# Altium PCB paste_3.3.PcbDoc (part 3 of 3)
Units mm, origin at the board's own origin, x right, y up, seen from the top; angles counter-clockwise.
Board outline 154.05 x 173.86 mm, 2 copper layers (Top Layer, Bottom Layer); 242 components, 0 nets, 1192 pads, 810 vias.
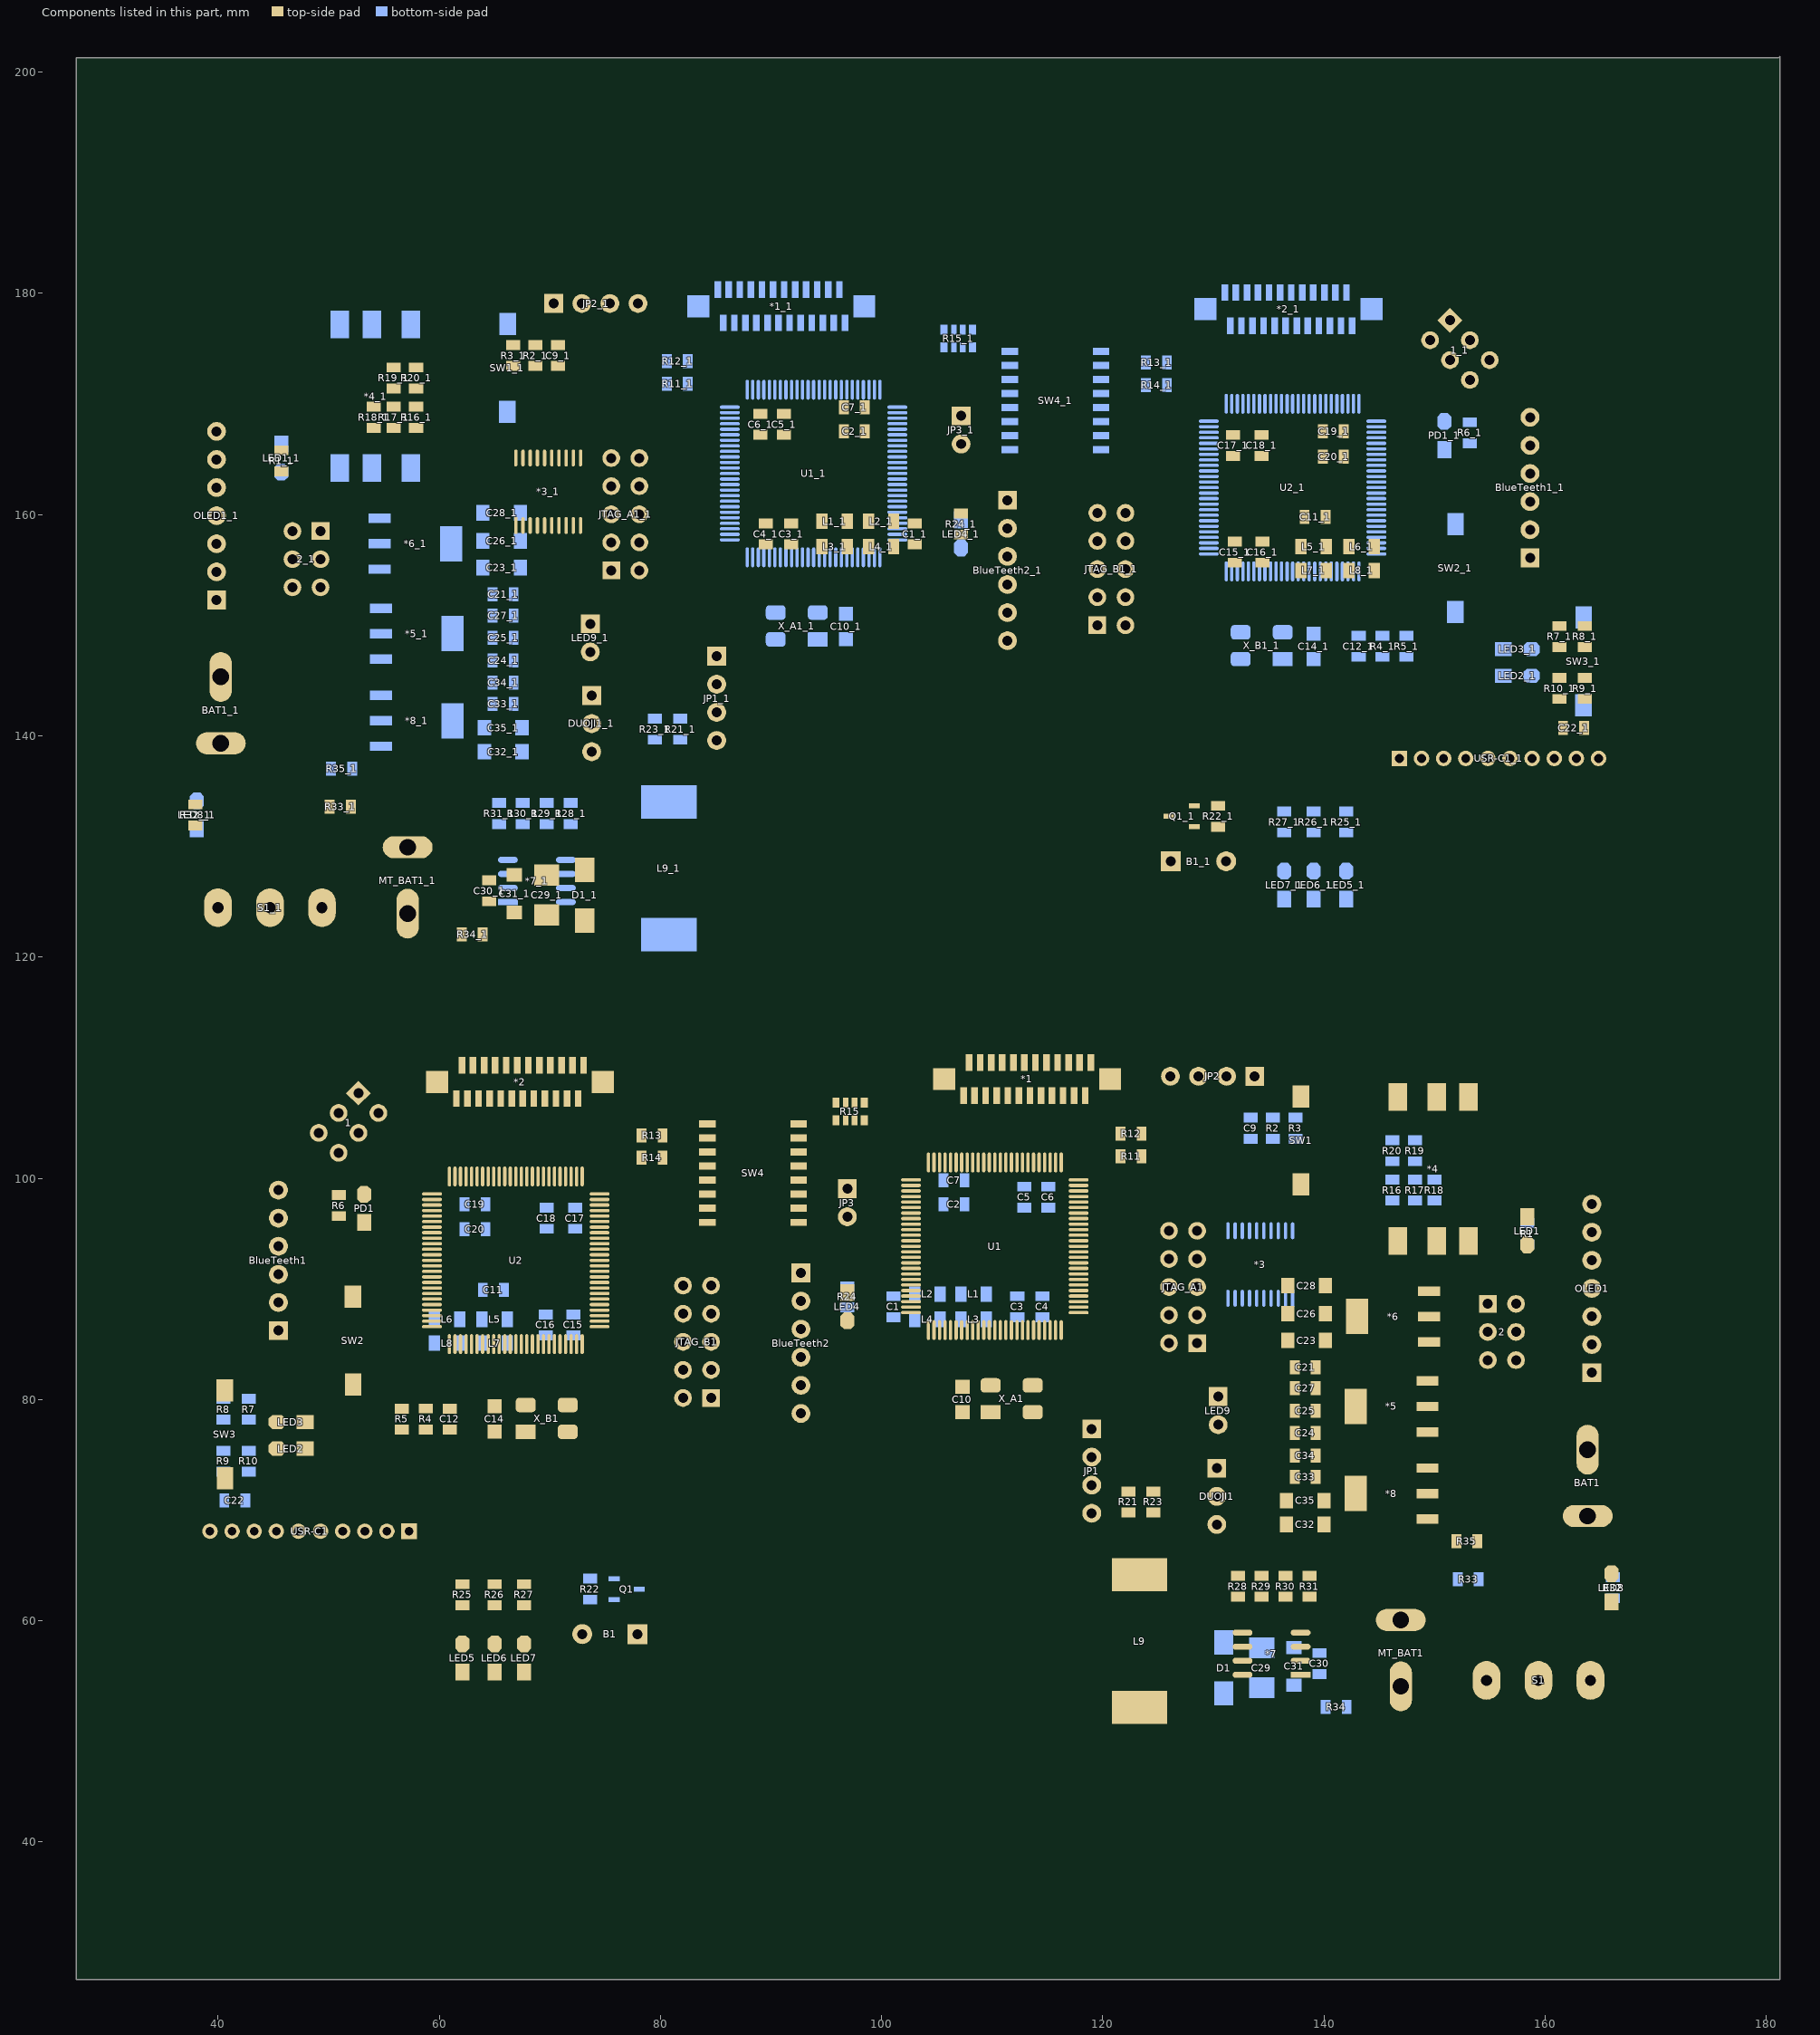
[diagram p3: the components of this part, seen from the top]

## Via types
v1: diameter 0.6, hole 0.3, Top Layer to Bottom Layer, tented both sides, 470 vias
v2: diameter 0.5, hole 0.3, Top Layer to Bottom Layer, tented both sides, 330 vias
v3: diameter 4.5, hole 4, Top Layer to Bottom Layer, tented both sides, 6 vias
v4: diameter 1.5, hole 1.3, Top Layer to Bottom Layer, tented both sides, 4 vias

## Nets (pads, with @x,y where several pads share a name; then routed paths per layer and width w, separated by ;. In a path a pad name is that pad's centre, name@x,y a point inside that pad or via, vN(x,y) a via of type N, cw(c..) or ccw(c..) an arc to the next point about the centre after c; other vN are vias at no path point) (continued)
copper on no net: (continued)
  Bottom Layer w0.3: v2(37.211,135.89) 38.1,135.001 38.1,134.112 ; 38.1,131.445 43.065,126.48 45.334,126.48 47.354,124.46 49.404,124.46 ; v2(38.862,77.851) 39.182,78.171 40.513,78.171 ; v2(39.497,71.12) 39.751,70.866 40.579,70.866 ; 39.878,154.813 44.831,159.766 52.832,159.766 ; 39.878,167.513 49.553,177.188 51.029,177.188 55.832,181.991 75.057,181.991 77.978,179.07 ; 42.799,80.071 42.799,85.979 45.466,88.646 45.466,88.773 41.656,92.583 41.656,98.044 45.92,102.308 50.909,102.308 ; v2(44.069,163.449) 44.45,163.83 45.72,163.83 ; 45.466,93.853 49.403,93.853 56.642,101.092 v2(58.039,101.092) ; 45.466,96.393 49.784,96.393 55.372,101.981 v2(61.468,101.981) ; v2(48.006,167.513) 46.863,167.513 45.72,166.37 46.228,166.37 52.832,159.766 ; v2(53.975,174.371) 69.369,174.371 76.239,167.501 80.122,167.501 81.28,166.343 81.28,163.095 84.24,160.135 86.21,160.135 ; 54.61,159.653 52.945,159.653 52.832,159.766 ; 54.85,146.812 64.135,146.812 ; v2(56.642,87.884) 57.277,87.249 59.563,87.249 ; v2(56.642,175.133) 69.342,175.133 v2(76.454,168.021) ; v2(60.833,161.544) 61.524,160.853 ; v2(60.96,86.36) 60.96,85.979 61.849,85.09 63.881,85.09 ; v2(60.96,95.377) 62.296,95.377 62.296,97.663 62.865,97.663 v2(63.246,98.044) ; 61.087,157.353 62.357,158.623 v2(62.738,158.623) ; v2(61.341,88.519) 61.849,88.011 61.849,87.249 63.881,87.249 ; v2(62.484,94.107) 62.926,94.107 64.196,95.377 ; v2(62.865,88.646) 63.947,89.728 ; v2(63.754,146.431) 64.135,146.812 ; v2(64.135,104.775) v2(64.135,112.141) ; 64.836,146.812 64.135,146.812 ; 64.836,150.876 64.836,150.881 66.736,152.781 66.675,152.781 64.897,154.559 64.897,159.639 65.405,160.147 67.359,160.147 ; v2(65.024,112.141) 65.024,106.172 v2(66.548,104.648) ; v2(65.532,155.321) 65.532,155.78 67.359,157.607 ; v2(65.786,103.632) 66.929,102.489 68.353,102.489 69,101.842 71.208,101.842 71.855,102.489 73.279,102.489 ; v2(66.04,112.014) 66.04,105.918 68.961,102.997 v2(68.961,102.616) ; 66.167,85.09 67.31,85.09 v2(68.961,86.741) 69.647,86.055 69.647,85.791 72.136,85.791 72.329,85.791 v2(73.025,86.487) ; 66.167,87.249 67.31,87.249 v2(67.945,86.614) 69.022,87.691 69.647,87.691 ; v2(66.167,102.489) 67.234,101.422 71.382,101.422 71.814,101.854 v2(73.152,101.854) ; v2(66.929,94.234) 69.647,91.516 69.647,87.691 ; v2(66.929,98.425) 66.929,98.298 66.294,97.663 64.196,97.663 64.196,95.377 ; v2(67.056,112.014) 67.056,106.172 v2(69.342,103.886) ; 67.359,155.194 69.354,153.199 69.354,147.84 v2(68.072,146.558) ; v2(68.072,112.014) 68.072,106.045 70.993,103.124 v2(70.993,102.362) ; 69.657,95.377 64.196,95.377 ; 69.723,97.343 69.916,97.343 ; v2(70.739,96.393) 70.739,96.52 69.916,97.343 ; v2(70.739,105.029) 73.279,102.489 ; 71.882,135.89 78.039,135.89 81.788,139.639 ; v2(72.136,91.186) 69.723,93.599 69.723,95.443 72.314,95.443 72.314,96.063 v2(72.644,96.393) ; v2(72.644,78.359) 73.352,79.067 83.131,79.067 84.201,80.137 84.582,80.137 ; v2(72.644,86.995) 72.644,87.183 72.136,87.691 69.647,87.691 ; v2(72.898,98.552) 72.314,97.968 72.314,97.343 69.916,97.343 ; v2(73.66,76.835) 75.819,74.676 75.819,63.815 ; v2(73.914,158.496) 75.438,160.02 75.565,160.02 75.565,157.48 ; v2(74.422,102.489) 73.279,102.489 ; 75.565,154.94 76.592,154.94 77.662,156.01 82.496,156.01 v2(83.058,155.448) ; 77.938,58.801 82.55,63.413 82.55,78.105 84.582,80.137 ; v2(80.391,100.457) 80.391,97.536 v2(80.264,97.409) 87.376,90.297 87.376,88.011 84.582,85.217 ; v2(84.582,160.655) 84.63,160.703 86.278,160.703 ; 85.09,147.193 86.607,148.71 90.429,148.71 92.327,146.812 95.377,146.812 96.774,148.209 96.774,148.717 103.886,148.717 111.379,156.21 112.522,155.067 119.507,155.067 119.507,152.527 ; 86.278,162.203 86.301,162.179 89.281,162.179 v2(89.789,162.687) ; 86.278,162.703 88.789,162.703 90.043,163.957 v2(90.043,165.227) ; 86.278,169.703 87.726,169.703 88.265,169.164 v2(88.265,168.402) ; 87.853,156.127 87.853,153.708 90.429,151.132 ; v2(87.884,167.64) 87.63,167.894 87.63,168.783 87.21,169.203 86.278,169.203 83.212,169.203 80.584,171.831 80.584,173.863 77.978,176.469 77.978,179.07 ; 88.353,156.127 88.353,159.981 v2(88.9,160.528) ; v2(88.773,154.686) 88.853,154.766 88.853,156.127 88.853,157.56 v2(89.662,158.369) ; v2(89.662,173.482) 89.853,173.291 89.853,171.278 ; 90.182,180.316 90.297,180.431 v2(90.297,181.737) ; 90.353,171.278 90.353,172.392 90.334,172.411 90.334,173.537 90.353,173.556 90.353,175.443 90.682,175.772 90.682,177.316 ; 90.853,171.278 90.853,172.486 90.754,172.585 90.754,173.363 90.773,173.382 90.773,174.593 91.059,174.879 v2(91.059,175.133) ; 91.059,180.439 v2(91.059,181.864) ; 91.353,171.278 91.353,172.58 91.174,172.759 91.174,173.189 91.193,173.208 91.193,174.124 91.682,174.613 91.682,177.316 ; v2(91.694,172.974) 91.853,172.815 91.853,171.278 ; v2(92.075,158.369) 92.329,158.115 92.329,156.175 ; 92.075,180.423 v2(92.075,181.737) ; 92.353,171.278 92.353,173.458 92.202,173.609 92.202,175.514 92.682,175.994 92.682,177.316 ; 92.71,81.28 104.267,81.28 v2(105.664,82.677) ; 92.71,83.82 106.553,83.82 v2(107.188,84.455) ; 92.71,88.9 92.71,88.265 84.582,80.137 ; 92.837,156.143 92.837,157.607 v2(92.964,157.734) 93.472,158.242 v2(93.472,160.528) 93.472,161.798 v2(90.043,165.227) ; v2(92.837,174.244) 92.853,174.228 92.853,171.278 ; 93.091,180.407 v1(93.091,181.864) ; 93.353,171.278 93.353,173.744 93.682,174.073 93.682,177.316 ; 93.853,171.278 93.853,169.926 v2(94.361,169.418) ; 94.182,180.316 94.182,181.177 v2(94.615,181.61) ; 94.358,151.003 96.774,151.003 98.679,151.003 107.188,159.512 ; v2(94.615,174.879) 94.353,174.617 94.353,171.278 94.353,170.188 95.123,169.418 97.282,169.418 v2(97.536,169.672) ; 94.682,177.316 94.682,176.336 97.536,173.482 97.536,172.805 96.853,172.122 96.853,171.278 ; 95.182,180.316 95.182,181.288 96.012,182.118 ; 95.682,177.316 95.682,176.225 v2(96.139,175.768) ; 96.353,171.278 96.409,171.334 96.409,173.324 96.567,173.482 v2(96.774,173.482) ; 96.853,156.127 96.853,154.353 v2(96.901,154.305) ; 97.353,156.127 97.421,156.059 97.421,153.531 v2(98.425,152.527) ; v2(97.79,165.735) 98.044,165.481 99.949,165.481 100.171,165.703 101.428,165.703 ; v2(99.441,89.154) 99.822,89.535 102.997,89.535 ; 101.428,158.703 104.347,158.703 v2(104.648,159.004) ; v2(105.41,96.405) 105.422,96.405 105.603,96.586 105.603,97.663 105.603,99.822 v2(106.553,99.822) ; 105.654,176.695 106.534,176.695 107.334,176.695 108.214,176.695 108.214,180.457 106.553,182.118 96.012,182.118 ; v2(106.299,95.885) 107.503,97.089 107.503,97.663 107.503,99.822 ; v2(107.315,103.632) 107.315,109.601 v2(109.474,111.76) ; 107.757,99.568 v2(109.728,99.568) 111.948,97.348 112.903,97.348 112.903,94.234 v2(114.3,92.837) ; v2(107.95,105.918) 108.585,105.918 v2(109.474,105.029) ; 109.474,87.249 111.567,89.342 112.268,89.342 ; 109.474,89.535 v2(110.617,90.678) ; v1(110.998,112.014) 111.252,111.76 v2(111.252,104.394) ; v2(111.125,87.884) 111.567,87.442 112.268,87.442 114.554,87.442 114.554,88.392 v2(114.427,88.519) ; 111.379,158.75 107.95,158.75 107.188,159.512 ; v2(112.014,88.519) 112.268,88.773 112.268,89.342 ; v2(112.014,111.887) 112.395,111.506 v2(112.395,103.124) ; v2(113.03,105.283) v2(113.03,112.014) ; v2(113.792,111.887) 114.427,111.252 v2(114.427,103.632) ; v2(114.046,95.377) 114.046,98.105 112.903,99.248 115.062,99.248 115.758,98.552 v2(115.824,98.552) ; v2(115.316,84.836) 119.407,84.836 119.419,84.848 120.281,84.848 v2(121.031,85.598) ; v2(116.205,97.79) 115.763,97.348 115.062,97.348 115.062,93.599 v2(114.3,92.837) ; 118.999,74.676 127.254,82.931 130.683,82.931 135.21,87.458 135.21,89.154 ; v2(119.507,90.805) 119.622,90.92 119.622,93.56 120.662,94.6 122.794,94.6 126.365,98.171 v2(127.635,98.171) ; 119.847,174.752 119.847,173.482 119.847,172.212 119.847,170.942 120.904,170.942 123.413,168.433 129.585,168.433 131.16,168.433 v2(131.191,168.402) ; v2(123.698,170.307) 123.698,171.511 123.891,171.704 123.891,173.736 ; v2(123.825,167.259) 124.587,167.259 125.261,167.933 129.585,167.933 130.771,167.933 131.445,167.259 v2(131.445,166.243) ; 125.791,171.704 v2(130.937,171.704) 132.529,173.296 132.529,177.062 ; 125.791,173.736 128.27,173.736 v2(129.667,172.339) ; 125.984,86.741 125.984,87.63 ; 126.111,109.22 129.86,105.471 133.35,105.471 ; 126.151,128.651 129.58,125.222 136.398,125.222 139.065,125.222 141.986,125.222 ; 127,71.689 127.32,71.689 ; 129.585,160.933 131.85,160.933 v2(131.953,161.036) 135.128,157.861 v2(135.128,156.591) 135.66,156.059 135.66,154.857 ; 129.585,161.433 131.461,161.433 132.588,162.56 132.588,165.481 v2(133.35,166.243) 133.731,166.624 137.033,166.624 137.16,166.751 ; v2(130.175,88.646) 130.683,89.154 131.31,89.154 131.96,89.154 132.61,89.154 133.26,89.154 133.91,89.154 134.56,89.154 134.56,89.967 134.89,90.297 135.763,90.297 ; 131.31,95.254 131.96,95.254 132.61,95.254 133.26,95.254 133.91,95.254 133.91,94.309 133.997,94.222 135.354,94.222 ; v2(131.445,148.209) 135.121,148.209 136.266,149.354 137.287,150.375 137.287,151.13 136.16,152.257 136.16,154.857 136.144,154.873 v2(136.144,156.464) ; v2(131.445,156.845) 132.16,156.13 132.16,154.857 ; 131.66,154.857 131.66,155.741 v2(131.064,156.337) 130.429,155.702 v2(130.429,146.685) 132.219,146.685 132.466,146.932 ; 132.468,146.932 134.112,145.288 137.414,145.288 139.065,146.939 142.936,146.939 ; v2(133.096,172.212) 133.16,172.148 133.16,170.008 ; v2(133.35,174.879) 133.529,175.058 133.529,177.062 ; 133.66,170.008 133.66,173.538 135.001,174.879 135.89,174.879 136.529,175.518 136.529,177.062 ; 133.731,109.22 140.97,109.22 143.891,106.299 143.891,83.693 v2(142.621,82.423) 142.621,82.523 141.058,84.086 139.942,84.086 v2(138.557,85.471) ; 134.16,170.008 134.16,173.149 v2(134.747,173.736) ; v2(135.128,172.466) 135.16,172.434 135.16,170.008 ; 135.21,95.254 135.21,94.366 135.354,94.222 ; 135.382,103.571 136.845,102.108 141.605,102.108 142.494,101.219 ; 135.66,170.008 135.66,173.352 137.326,175.018 137.756,175.018 137.768,175.006 138.049,175.006 138.529,175.486 138.529,177.062 ; 135.86,89.154 135.86,90.2 135.763,90.297 ; v2(136.017,76.708) 140.208,76.708 v2(140.335,76.581) ; v2(136.017,181.864) 136.017,180.074 136.029,180.062 ; 136.16,170.008 136.16,173.117 v2(137.541,174.498) ; 136.395,149.225 139.065,149.225 140.444,147.846 143.876,147.846 144.59,147.132 145.288,147.132 146.002,147.846 149.606,147.846 ; 137.029,180.062 137.033,180.066 v2(137.033,181.864) ; 137.16,95.254 137.16,95.885 142.494,101.219 ; v2(137.16,164.084) 137.16,166.751 ; v2(137.16,168.275) 137.16,170.008 ; 137.414,105.471 136.459,106.426 134.305,106.426 133.35,105.471 ; 137.66,170.008 137.68,170.008 137.68,168.771 138.43,168.021 ; v2(137.922,172.339) 138.16,172.101 138.16,170.008 ; 138.029,180.062 138.029,181.844 v2(138.049,181.864) ; v2(138.303,173.482) 138.66,173.125 138.66,170.008 ; 139.065,180.098 v2(139.065,181.991) ; 139.66,170.008 139.66,174.331 v2(139.954,174.625) ; 139.954,180.137 v2(139.954,181.991) ; 140.16,170.008 140.16,173.815 140.529,174.184 140.529,177.062 ; 140.66,170.008 140.66,172.029 141.478,172.847 145.288,172.847 146.05,172.085 v2(146.05,170.942) ; v2(140.843,167.894) 140.716,168.021 138.43,168.021 ; 141.16,170.008 141.16,171.132 141.732,171.704 142.494,171.704 v2(142.621,171.831) ; v2(141.224,158.496) 142.287,157.433 144.735,157.433 ; v2(141.351,88.773) 140.97,89.154 137.16,89.154 137.16,89.789 136.652,90.297 135.763,90.297 ; 141.529,177.062 141.529,176.098 141.877,175.75 149.588,175.75 153.18,172.158 ; v2(141.605,163.957) 142.875,163.957 143.351,164.433 144.735,164.433 146.907,164.433 149.368,166.894 151.623,166.894 152.081,166.436 153.162,166.436 ; v2(142.748,158.369) 143.184,157.933 144.735,157.933 ; v2(143.129,156.21) 143.352,156.433 144.735,156.433 ; v2(143.129,165.227) 143.423,164.933 144.735,164.933 ; v2(143.256,91.694) 143.383,91.821 143.383,100.33 142.494,101.219 ; 144.735,162.933 147.947,162.933 150.876,165.862 ; 144.783,157.48 147.193,157.48 v2(147.447,157.734) ; 146.177,101.539 146.177,99.883 148.209,99.883 ; 146.812,137.947 146.812,146.497 ; 148.209,101.539 148.209,99.883 ; 148.812,137.947 148.812,147.052 149.606,147.846 ; 150.876,168.402 153.096,168.402 ; 154.976,173.954 154.976,168.25 153.162,166.436 ; v2(156.083,97.663) 153.863,99.883 149.987,99.883 148.209,99.883 ; 156.21,145.415 156.21,147.828 ; 158.369,94.046 158.816,93.599 v2(160.02,93.599) ; 158.369,95.946 162.494,95.946 164.211,97.663 165.481,97.663 167.005,96.139 167.005,85.217 164.211,82.423 ; 158.623,158.623 156.591,156.591 156.591,148.209 156.21,147.828 ; 163.83,75.469 167.513,71.786 167.513,63.439 166.116,62.042 ; v2(164.592,140.97) 165.874,142.252 165.874,144.499 165.862,144.511 165.862,147.066 v2(165.227,147.701) 166.116,148.59 166.116,157.48 162.433,161.163 158.623,161.163 156.591,161.163 153.162,164.592 153.162,166.436 ; 166.116,63.942 166.878,64.704 v2(166.878,66.04) ; 77.978,179.07 81.342,182.434 95.696,182.434 96.012,182.118 ; v2(90.043,165.227) 91.694,165.227 92.722,166.255 v2(98.679,166.255) 99.095,166.255 99.147,166.203 101.428,166.203 103.164,166.203 103.505,165.862 103.505,163.195 107.188,159.512 ; 112.268,89.342 114.554,89.342 115.189,89.977 v2(115.189,90.678) 115.189,91.948 v2(114.3,92.837) ; 133.35,105.471 132.207,104.328 132.207,102.362 136.51,98.059 136.51,95.254 136.51,94.249 136.483,94.222 135.354,94.222 ; 137.16,166.751 138.43,168.021 ; 149.606,147.846 156.192,147.846 156.21,147.828
  Bottom Layer w0.381: v2(38.735,74.422) 39.685,75.372 40.513,75.372 ; 40.513,73.472 38.862,71.821 38.862,70.512 41.277,68.097 ; 42.479,70.866 43.942,70.866 v2(44.577,71.501) 46.228,73.152 46.228,77.343 45.4,78.171 42.799,78.171 ; v2(42.799,72.136) 42.799,73.472 ; 42.799,75.372 42.799,75.946 v2(43.688,76.835) ; 150.812,137.947 155.613,142.748 160.655,142.748 ; 158.75,145.415 159.893,144.272 v2(165.354,144.272) ; 158.75,147.828 159.258,147.828 v2(160.401,146.685) ; v2(159.512,141.351) 159.512,141.605 160.655,142.748 ; v2(161.29,141.986) 161.29,141.469 164.812,137.947 ; 163.449,142.748 160.655,142.748
  Bottom Layer w0.4: v2(62.738,127.508) 66.209,127.508 ; 139.573,57.084 140.777,57.084 v2(141.351,57.658)
  Bottom Layer w0.5: 57.023,148.971 v2(58.547,147.447) ; 57.404,129.667 v2(68.072,129.667) 68.072,128.143 68.707,127.508 71.459,127.508 ; v2(63.246,153.416) 63.959,154.129 ; v2(63.373,133.858) 63.434,133.919 65.405,133.919 ; 63.959,160.147 63.959,157.607 63.959,155.194 63.959,154.129 ; 64.836,142.88 66.736,144.78 68.072,144.78 70.866,147.574 73.66,147.574 ; 64.836,152.781 63.959,153.658 63.959,154.129 ; 66.209,126.238 64.643,126.238 v2(63.119,124.714) 61.849,125.984 61.849,128.016 62.611,128.778 66.209,128.778 ; 66.736,142.875 65.786,141.925 65.786,140.257 67.486,138.557 ; 66.736,146.812 66.736,148.844 ; 67.486,140.716 67.691,140.716 ; v2(68.072,151.892) 67.056,150.876 66.736,150.876 66.736,148.844 ; v2(68.834,148.844) 66.736,148.844 ; 69.723,133.919 71.623,132.019 71.882,132.019 78.775,132.019 ; 71.459,126.238 73.66,126.238 78.775,131.353 78.775,132.019 ; 73.787,138.557 74.869,139.639 79.502,139.639 80.587,140.724 82.576,140.724 83.693,141.841 83.693,145.796 85.09,147.193 ; 80.772,134.016 78.775,132.019 ; 92.71,86.36 93.599,86.36 94.996,87.757 94.996,94.615 96.901,96.52 100.076,99.695 101.6,99.695 103.06,98.234 103.06,96.456 103.732,95.785 106.199,95.785 v2(106.299,95.885) ; 130.302,68.707 136.017,68.707 v2(140.716,64.008) 142.748,61.976 142.748,56.642 v2(140.97,54.864) 139.893,54.864 ; v2(135.255,78.994) 136.652,77.597 v2(145.542,77.597) ; v2(136.017,59.817) 136.017,58.85 137.287,57.58 ; v2(136.017,82.042) 137.541,83.566 v2(140.843,83.566) ; 141.029,180.062 141.029,181.034 141.605,181.61 147.32,181.61 151.384,177.546 153.18,175.75 154.976,173.954 ; 142.936,146.939 144.206,145.669 145.984,145.669 146.812,146.497 147.447,147.132 ; 154.813,83.566 155.983,82.396 164.211,82.396 164.211,82.423
  Bottom Layer w0.508: 66.209,124.968 69.85,124.968 v2(73.279,121.539) 73.756,122.016 80.772,122.016 ; 67.564,133.919 67.564,135.001 v2(68.199,135.636) ; 69.723,132.019 70.038,132.019 72.263,129.794 v2(75.057,129.794) ; 71.459,124.968 74.803,124.968 v2(75.184,125.349) ; 118.999,69.723 125.476,63.246 130.937,63.246 ; v2(128.905,55.499) 128.143,56.261 128.143,59.055 v2(129.032,59.944) ; v2(130.81,51.689) 130.81,53.312 ; 133.88,58.039 130.937,58.039 130.937,63.246 ; v2(135.89,65.786) 133.477,65.786 130.937,63.246 ; 139.065,127.762 139.065,131.257 ; 141.986,127.762 141.986,131.257
  Bottom Layer w0.6: 54.61,151.652 55.231,152.273 v2@61.407,152.273 ; v2@61.437,152.242 64.836,148.844 ; 130.429,80.264 140.462,80.264 v2(142.621,82.423)
  Bottom Layer w1: 40.259,145.319 40.259,151.892 ; 46.736,158.496 46.736,155.956 46.736,153.416 48.627,151.525 54.737,151.525 ; 49.276,153.416 49.276,155.956 49.276,158.496 50.419,157.353 54.61,157.353 61.087,157.353 63.705,157.353 ; 54.61,151.652 54.61,155.053 ; 54.61,159.653 60.593,159.653 62.992,162.052 65.454,162.052 67.359,160.147 70.358,160.147 75.565,154.94 ; v1@54.737,141.351 61.214,141.351 ; 54.737,143.651 61.482,143.651 62.611,144.78 64.836,144.78 ; 54.737,146.925 54.088,146.925 51.689,144.526 51.689,140.335 52.973,139.051 54.737,139.051 56.882,136.906 65.835,136.906 67.486,138.557 69.391,136.652 71.12,136.652 71.882,135.89 71.882,133.919 ; 54.737,149.225 61.214,149.225 ; 57.15,129.921 57.15,136.638 ; 64.086,138.557 64.086,140.716 63.451,141.351 61.214,141.351 ; 64.836,142.875 62.738,142.875 61.214,141.351 ; 67.691,140.716 68.072,141.097 73.787,141.097 ; 130.302,71.247 143.637,71.247 145.923,73.533 v2(145.923,73.801) ; 134.366,53.953 137.06,53.953 ; 137.287,54.18 138.569,54.18 139.573,55.184 ; 146.939,54.071 146.939,56.53 144.069,59.4 144.069,61.691 145.796,63.418 145.796,69.469 147.828,71.501 v1(149.86,71.501) ; 149.224,60.071 154.685,54.61
  Bottom Layer w2: 159.385,54.61 159.385,60.882 160.743,62.24 160.743,66.382 163.83,69.469
  other v1: 127.889,49.53 39.37,49.784 119.126,49.784 131.318,49.911 117.221,50.038 63.881,50.165 135.509,50.165 67.31,50.292 71.374,50.292 61.849,50.927 66.421,51.054 82.169,51.181 37.846,51.308 75.565,51.308 145.288,51.816 151.13,51.816 69.596,51.943 60.579,52.197 143.891,52.324 79.121,52.451 72.517,52.705 149.225,52.959 151.257,52.959 83.947,53.086 39.497,53.213 82.423,53.848 142.621,54.229 58.547,54.356 36.957,54.483 81.026,55.753 125.857,55.88 144.907,55.88 37.338,56.896 118.872,56.896 121.412,56.896 148.844,56.896 83.693,57.023 124.46,57.658 58.801,57.785 70.231,58.547 121.92,59.182 70.231,60.071 60.325,60.198 117.602,60.452 84.074,60.706 151.638,60.706 139.827,60.833 122.174,60.96 56.007,61.214 150.495,61.214 140.97,61.341 47.498,61.722 119.253,61.849 69.723,62.484 49.149,62.992 57.023,62.992 60.579,62.992 149.225,63.246 53.34,63.373 144.145,63.627 142.875,63.754 84.201,64.008 50.673,64.643 35.941,64.77 56.261,64.77 149.733,64.77 141.732,64.897 38.481,65.151 58.293,65.151 143.383,65.151 117.475,65.405 140.97,65.786 79.375,66.548 79.375,66.548 60.579,67.564 84.201,67.818 72.898,68.707 61.722,68.834 36.195,69.215 77.597,69.342 84.074,69.977 158.369,69.977 79.629,70.231 157.226,70.358 147.447,71.374 148.336,71.501 149.098,71.501 62.992,71.628 56.896,72.136 60.198,72.136 78.105,72.136 155.956,72.136 74.168,72.39 99.695,72.39 91.567,72.644 92.71,72.644 114.681,72.644 106.553,72.771 109.093,73.025 58.801,73.152 104.394,73.152 84.582,73.279 151.257,73.279 87.757,73.406 159.131,73.533 111.379,73.66 95.758,73.914 151.257,73.914 37.973,74.041 61.341,74.041 89.154,74.168 100.711,74.168 80.137,74.295 104.14,74.422 124.968,74.422 134.493,74.422 156.591,74.803 85.725,74.93 92.329,74.93 98.425,74.93 149.225,74.93 108.077,75.057 113.919,75.057 132.969,75.438 143.383,75.692 84.455,75.819 103.251,76.073 100.965,76.2 36.703,76.708 88.646,76.962 152.019,76.962 98.552,77.216 95.885,77.343 85.852,77.724 151.257,77.724 159.766,77.724 116.459,78.105 157.099,78.232 36.703,78.486 95.885,78.994 89.535,79.756 117.221,81.026 166.878,81.788 36.195,82.55 38.227,83.947 40.386,84.328 160.528,84.836 76.073,85.217 39.878,85.852 88.392,86.36 132.461,86.36 78.74,86.741 37.211,87.63 38.989,88.519 76.835,88.9 166.878,88.9 42.545,89.281 89.662,89.408 49.149,89.789 38.989,90.17 36.449,90.805 50.165,91.059 80.137,91.059 150.241,91.059 145.796,91.313 89.662,91.44 167.132,91.567 88.011,91.694 39.497,92.202 37.465,92.329 38.989,92.329 51.308,92.456 40.005,93.091 167.132,93.726 77.089,94.234 167.005,94.742 39.497,94.869 124.079,94.869 36.703,94.996 77.47,95.504 138.811,95.885 123.444,96.266 137.287,97.536 167.513,97.536 38.227,97.79 166.243,98.933 165.481,99.568 38.989,100.33 41.529,100.457 163.576,100.584 161.417,102.489 42.037,102.997 44.958,103.378 156.083,103.505 126.365,104.267 159.258,104.648 44.196,105.156 45.974,106.68 80.264,107.061 82.169,107.061 123.444,107.188 49.149,107.823 78.74,107.95 91.821,107.95 86.995,108.204 78.613,108.458 84.582,108.712 86.233,108.839 56.515,109.22 81.788,109.347 91.059,109.728 49.149,109.982 96.774,109.982 143.256,109.982 146.939,109.982 140.589,110.109 78.486,110.236 84.582,110.236 86.106,110.236 90.17,110.236 136.398,110.236 90.297,110.49 93.345,110.49 151.765,110.617 84.582,110.744 145.161,110.998 81.407,111.252 137.16,111.252 94.869,111.379 52.705,111.887 126.111,112.014 105.41,112.141 88.265,112.268 76.2,119.38 84.963,119.634 164.719,119.634 72.771,119.761 86.868,119.888 68.58,120.015 140.208,120.015 132.715,120.142 136.779,120.142 142.24,120.777 137.668,120.904 121.92,121.031 128.524,121.158 166.243,121.158 52.959,121.666 58.801,121.666 134.493,121.793 143.51,122.047 60.198,122.174 124.968,122.301 131.572,122.555 52.832,122.809 54.864,122.809 120.142,122.936 164.592,123.063 121.666,123.698 61.468,124.079 145.542,124.206 167.132,124.333 123.063,125.603 59.182,125.73 78.232,125.73 55.245,126.746 82.677,126.746 85.217,126.746 166.751,126.746 120.396,126.873 79.629,127.508 145.288,127.635 133.858,128.397 82.169,129.032 133.858,129.921 143.764,130.048 86.487,130.302 52.451,130.556 120.015,130.556 64.262,130.683 81.915,130.81 53.594,131.064 148.082,131.064 63.119,131.191 156.591,131.572 84.836,131.699 134.366,132.334 143.51,132.842 147.066,132.842 154.94,132.842 54.864,133.096 150.749,133.223 59.944,133.477 61.214,133.604 119.888,133.858 153.416,134.493 54.356,134.62 147.828,134.62 168.148,134.62 62.357,134.747 60.706,135.001 145.796,135.001 165.608,135.001 86.614,135.255 63.119,135.636 124.714,136.398 124.714,136.398 143.51,137.414 119.888,137.668 131.191,138.557 142.367,138.684 167.894,139.065 126.492,139.192 45.72,139.827 120.015,139.827 124.46,140.081 46.863,140.208 56.642,141.224 54.991,141.351 55.753,141.351 141.097,141.478 48.133,141.986 125.984,141.986 143.891,141.986 147.193,141.986 104.394,142.24 129.921,142.24 89.408,142.494 111.379,142.494 112.522,142.494 97.536,142.621 94.996,142.875 99.695,143.002 145.288,143.002 52.832,143.129 119.507,143.129 116.332,143.256 44.958,143.383 92.71,143.51 52.832,143.764 108.331,143.764 142.748,143.891 166.116,143.891 103.378,144.018 114.935,144.018 123.952,144.145 69.596,144.272 79.121,144.272 99.949,144.272 47.498,144.653 54.864,144.78 105.664,144.78 111.76,144.78 118.364,144.78 90.17,144.907 96.012,144.907 71.12,145.288 60.706,145.542 119.634,145.669 100.838,145.923 103.124,146.05 167.386,146.558 52.07,146.812 115.443,146.812 105.537,147.066 108.204,147.193 44.323,147.574 52.832,147.574 118.237,147.574 87.63,147.955 46.99,148.082 167.386,148.336 108.204,148.844 114.554,149.606 86.868,150.876 37.211,151.638 167.894,152.4 165.862,153.797 163.703,154.178 43.561,154.686 128.016,155.067 164.211,155.702 71.628,156.21 115.697,156.21 125.349,156.591 166.878,157.48 165.1,158.369 37.211,158.75 127.254,158.75 161.544,159.131 114.427,159.258 154.94,159.639 165.1,160.02 167.64,160.655 53.848,160.909 123.952,160.909 153.924,160.909 58.293,161.163 114.427,161.29 36.957,161.417 116.078,161.544 164.592,162.052 165.1,162.179 166.624,162.179 152.781,162.306 164.084,162.941 36.957,163.576 127,164.084 37.084,164.592 80.01,164.719 164.592,164.719 167.386,164.846 126.619,165.354 65.278,165.735 80.645,166.116 36.576,167.386 66.802,167.386 165.862,167.64 37.846,168.783 38.608,169.418 165.1,170.18 162.56,170.307 40.513,170.434 42.672,172.339 162.052,172.847 159.131,173.228 48.006,173.355 77.724,174.117 44.831,174.498 159.893,175.006 158.115,176.53 121.92,176.911 123.825,176.911 80.645,177.038 154.94,177.673 112.268,177.8 125.349,177.8 117.094,178.054 125.476,178.308 119.507,178.562 117.856,178.689 147.574,179.07 122.301,179.197 113.03,179.578 57.15,179.832 60.833,179.832 107.315,179.832 154.94,179.832 63.5,179.959 67.691,180.086 113.919,180.086 117.983,180.086 119.507,180.086 125.603,180.086 110.744,180.34 113.792,180.34 52.324,180.467 119.507,180.594 58.928,180.848 66.929,181.102 122.682,181.102 109.22,181.229 151.384,181.737 77.978,181.864 98.679,181.991 115.824,182.118
  other v2: 146.05,73.279 145.415,73.533 58.039,143.129 58.674,143.383
  other v3: 43.873,63.636 157.373,63.636 100.623,109.636 46.716,133.486 160.216,133.486 103.466,179.486
  other v4: 152.06,98.838 152.06,102.838 52.029,168.688 52.029,172.688

## Keep-outs
Keep-Out Layer:
  lines w0.254: 181.102,201.295 181.229,201.422

## Other copper
Top Layer:
  text "华南理工大学" at 40.767,57.531 h3
  text "华工奔雷队" at 42.164,53.975 h3
  text "2017.7.17" at 41.148,50.8 h2
Bottom Layer:
  text "华南理工大学" at 163.322,127.381 h3
  text "华工奔雷队" at 161.925,123.825 h3
  text "2017.7.17" at 162.941,120.65 h2

## Silkscreen, mask and mechanical layers (free items; w line width, h text height)
Top Overlay:
  rectangle: 85.852,84.455 86.614,86.106
  rectangle: 129.794,89.408 130.556,91.059
  lines w0.254: 85.852,48.636 34.873,48.636 34.873,98.636 51.614,113.284 150.086,113.284 167.873,98.636 167.873,48.636 115.873,48.636 115.873,71.636 85.873,71.636 85.873,48.636 ; 49.657,94.488 54.737,94.488 54.737,100.33 49.911,100.33 49.657,100.33 49.657,94.488 ; 55.245,75.946 55.245,80.391 62.23,80.391 62.357,80.264 62.357,75.819 55.372,75.819 55.245,75.946 ; 60.706,53.721 60.706,64.262 60.706,64.516 69.215,64.516 69.215,53.721 60.706,53.721 ; 63.754,75.438 63.754,80.899 73.279,80.899 73.279,75.438 63.754,75.438 ; 76.835,100.457 81.661,100.457 81.661,105.156 76.835,105.156 76.835,100.457 ; 105.918,77.343 115.443,77.343 115.443,82.55 105.918,82.55 105.918,77.343 ; 120.396,100.584 124.841,100.584 124.841,105.41 120.396,105.41 120.396,100.584 ; 121.031,68.58 125.857,68.58 125.857,72.898 121.285,72.898 121.031,72.898 121.031,68.58 ; 130.81,60.96 140.081,60.96 140.081,65.278 130.81,65.278 130.81,60.96
  text "*" at 70.231,171.577 h1 r270
  text "*" at 102.616,160.274 h1 r270
  text "*" at 141.224,159.512 h1 r270
  text "*" at 160.274,140.462 h1 r90
  text "1" at 73.533,112.268 h1 r90
  text "1" at 119.38,112.141 h1 r90
  text "GND" at 124.968,111.506 h1
  text "B" at 128.397,111.506 h1
  text "A" at 130.937,111.506 h1
  text "5V" at 133.096,111.506 h1
  text "GND" at 48.514,106.172 h1.2 r45
  text "24" at 107.823,103.886 h1 r90
  text "24" at 61.976,103.632 h1 r90
  text "3.3V" at 53.594,100.838 h1.2 r45
  text "CRT" at 95.504,100.838 h1.2
  text "CS" at 167.005,96.901 h1 r90
  text "RXD" at 39.497,95.631 h1.5
  text "TXD" at 39.497,93.091 h1.5
  text "GND" at 39.497,90.678 h1.5
  text "VCC" at 88.011,88.392 h1.2
  text "VCC" at 39.497,88.138 h1.5
  text "GND" at 88.011,85.725 h1.2
  text "5V" at 160.274,85.217 h1 r90
  text "GND" at 153.035,84.836 h1 r90
  text "TXD" at 88.011,83.058 h1.2
  text "GND" at 167.259,81.153 h1 r90
  text "*" at 60.579,80.645 h1 r270
  text "RXD" at 88.011,80.645 h1.2
  text "5V" at 128.397,79.629 h1 r90
  text "LK" at 49.784,77.343 h1.5
  text "G" at 117.348,77.089 h1 r90
  text "GND" at 128.397,76.454 h1 r90
  text "RD" at 49.784,74.93 h1.5
  text "M2" at 117.348,74.168 h1 r90
  text "ST" at 128.397,73.025 h1 r90
  text "SCUT" at 76.835,72.517 h2
  text "M1" at 117.348,71.755 h1 r90
  text "5V" at 128.651,70.485 h1 r90
  text "12V" at 117.348,68.58 h1 r90
  text "G" at 128.651,68.453 h1 r90
Bottom Overlay:
  region: 74.295,160.909 73.533,160.909 73.533,159.258 74.295,159.258
  region: 118.237,155.956 117.475,155.956 117.475,154.305 118.237,154.305
  lines w0.254: 118.216,118.486 118.216,141.486 88.216,141.486 88.216,118.486 36.216,118.486 36.216,168.486 54.003,183.134 152.475,183.134 169.216,168.486 169.216,118.486 118.237,118.486 ; 64.008,130.81 73.279,130.81 73.279,135.128 64.008,135.128 64.008,130.81 ; 78.232,138.43 83.058,138.43 83.058,142.748 82.804,142.748 78.232,142.748 78.232,138.43 ; 79.248,170.434 83.693,170.434 83.693,175.26 79.248,175.26 79.248,170.434 ; 88.646,147.193 98.171,147.193 98.171,152.4 88.646,152.4 88.646,147.193 ; 122.428,170.307 127.254,170.307 127.254,175.006 122.428,175.006 122.428,170.307 ; 130.81,145.288 130.81,150.749 140.335,150.749 140.335,145.288 130.81,145.288 ; 134.874,123.571 134.874,134.366 143.383,134.366 143.383,134.112 143.383,123.571 134.874,123.571 ; 141.732,145.669 141.732,150.114 141.859,150.241 148.844,150.241 148.844,145.796 148.717,145.669 141.732,145.669 ; 149.352,164.338 154.432,164.338 154.432,170.18 154.178,170.18 149.352,170.18 149.352,164.338
  text "1" at 130.556,182.118 h1 r270
  text "1" at 84.709,181.991 h1 r270
  text "5V" at 70.993,181.356 h1
  text "A" at 73.152,181.356 h1
  text "B" at 75.692,181.356 h1
  text "GND" at 79.121,181.356 h1
  text "GND" at 155.575,176.022 h1.2 r315
  text "24" at 96.266,173.736 h1 r270
  text "24" at 142.113,173.482 h1 r270
  text "CRT" at 108.585,170.688 h1.2
  text "3.3V" at 150.495,170.688 h1.2 r315
  text "CS" at 37.084,166.751 h1 r270
  text "RXD" at 164.592,165.481 h1.5
  text "TXD" at 164.592,162.941 h1.5
  text "GND" at 164.592,160.528 h1.5
  text "VCC" at 116.078,158.242 h1.2
  text "VCC" at 164.592,157.988 h1.5
  text "GND" at 116.078,155.575 h1.2
  text "5V" at 43.815,155.067 h1 r270
  text "GND" at 51.054,154.686 h1 r270
  text "TXD" at 116.078,152.908 h1.2
  text "GND" at 36.83,151.003 h1 r270
  text "RXD" at 116.078,150.495 h1.2
  text "*" at 143.51,150.495 h1 r90
  text "5V" at 75.692,149.479 h1 r270
  text "LK" at 154.305,147.193 h1.5
  text "G" at 86.741,146.939 h1 r270
  text "GND" at 75.692,146.304 h1 r270
  text "RD" at 154.305,144.78 h1.5
  text "M2" at 86.741,144.018 h1 r270
  text "ST" at 75.692,142.875 h1 r270
  text "SCUT" at 127.254,142.367 h2
  text "M1" at 86.741,141.605 h1 r270
  text "5V" at 75.438,140.335 h1 r270
  text "12V" at 86.741,138.43 h1 r270
  text "G" at 75.438,138.303 h1 r270
  text "*" at 133.858,101.727 h1 r90
  text "*" at 101.473,90.424 h1 r90
  text "*" at 62.865,89.662 h1 r90
  text "*" at 43.815,70.612 h1 r270